# Allegro board com_v1_p3.brd (continued)
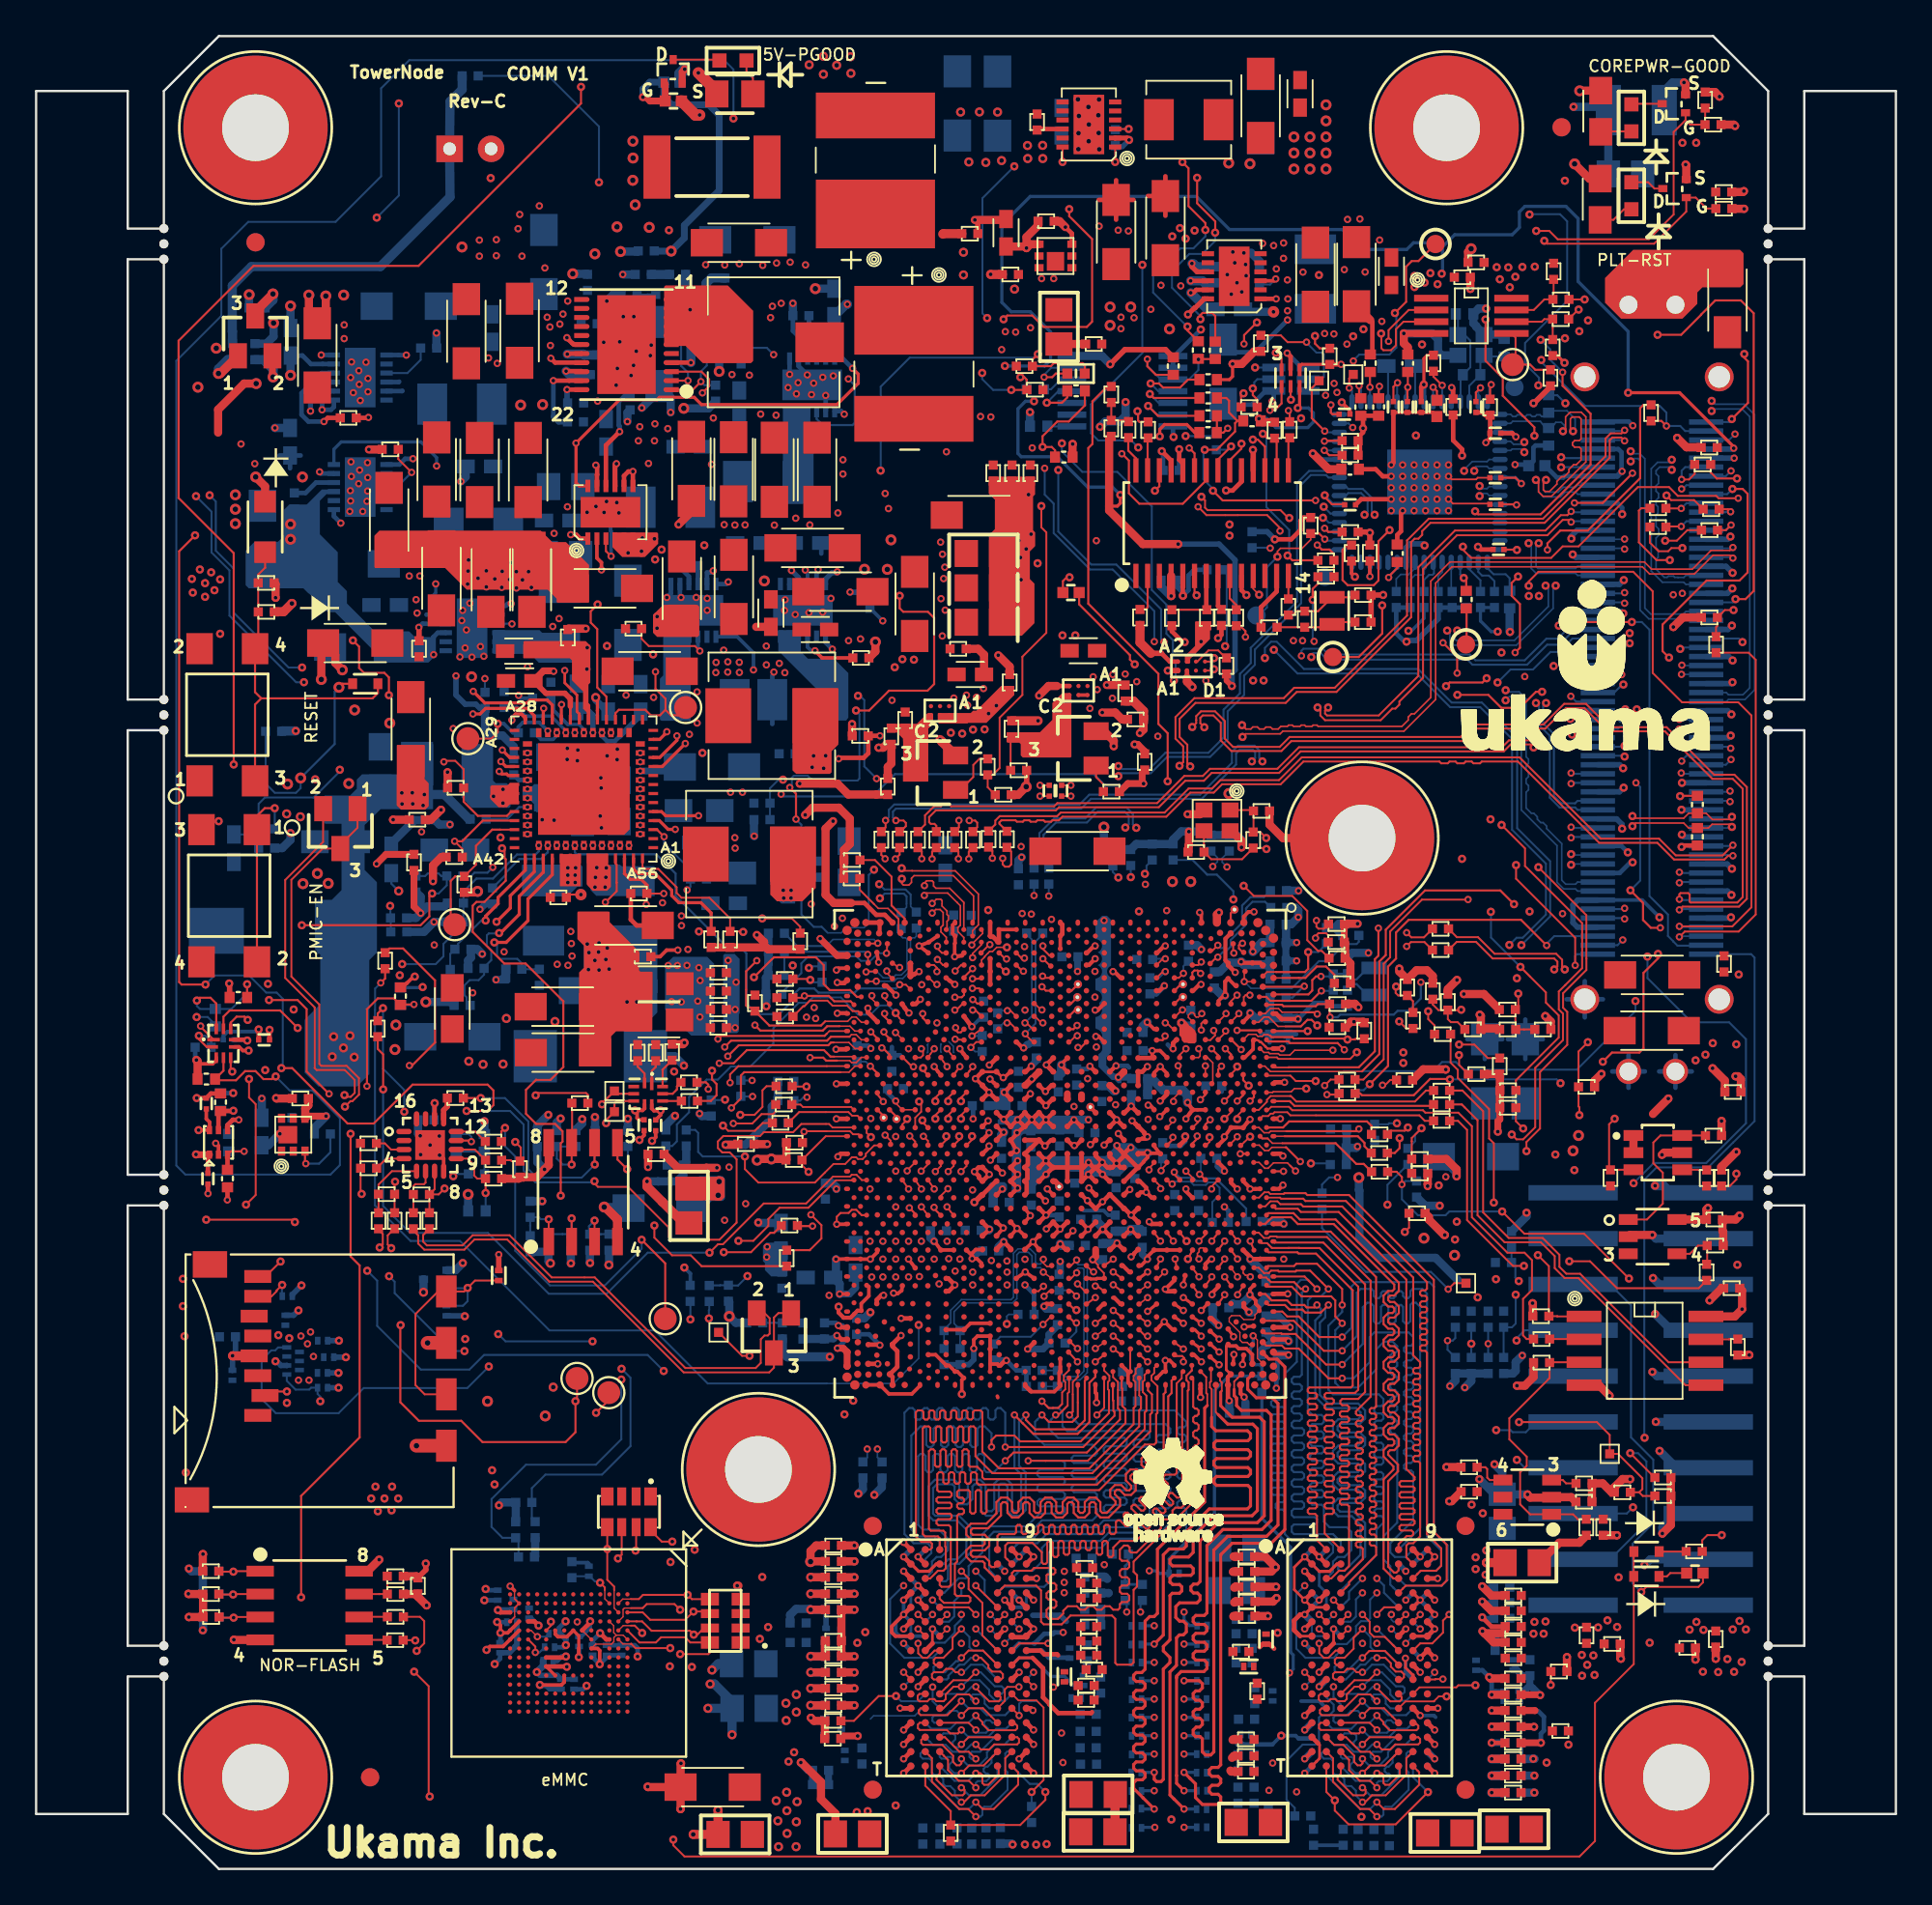
[diagram p0: board, top side]
## Routing (per net, layer and track width the routed paths; a pad name or vN(x,y) marks a point on that pad's centre or on a via; arc(x,y) is an arc through that point) (continued)
M_A_DM2: length 32.8
  TOP w0.114: v2(66.57,33.81) U3C1.F38
  L8_SIG4 w0.102: v2(66.57,33.81) 66.97,33.42 68.44,33.42 69.73,32.12 69.73,31.49 71.36,29.86 73.01,29.86 73.9,28.97 73.9,28.5 73.78,28.39 73.62,28.39 73.5,28.27 73.5,28.1 73.62,27.98 73.78,27.98 73.9,27.86 73.9,27.69 73.78,27.57 73.62,27.57 73.5,27.45 73.5,27.29 73.62,27.17 73.78,27.17 73.9,27.05 73.9,26.88 73.78,26.76 73.62,26.76 73.5,26.64 73.5,26.47 73.62,26.35 73.78,26.35 73.9,26.23 73.9,26.07 73.78,25.95 73.62,25.95 73.5,25.83 73.5,25.66 73.62,25.54 73.78,25.54 73.9,25.42 73.9,25.25 73.78,25.13 73.62,25.13 73.5,25.02 73.5,24.85 73.62,24.73 73.78,24.73 73.9,24.61 73.9,24.44 73.78,24.32 73.62,24.32 73.5,24.2 73.5,24.03 73.62,23.92 73.78,23.92 73.9,23.8 73.9,23.63 73.78,23.51 73.62,23.51 73.5,23.39 73.5,23.22 73.62,23.1 73.78,23.1 73.9,22.98 73.9,22.82 73.78,22.7 73.62,22.7 73.5,22.58 73.5,22.41 73.62,22.29 73.78,22.29 73.9,22.17 73.9,22 73.78,21.88 73.62,21.88 73.5,21.76 73.5,21.6 73.62,21.48 73.78,21.48 73.9,21.36 73.9,21.19 73.78,21.07 73.62,21.07 73.5,20.95 73.5,20.78 73.62,20.66 73.78,20.66 73.9,20.55 73.9,20.38 73.78,20.26 73.62,20.26 73.5,20.14 73.5,19.97 73.62,19.85 73.78,19.85 73.9,19.73 73.9,19.56 73.78,19.45 73.62,19.45 73.5,19.33 73.5,19.16 73.62,19.04 73.78,19.04 73.9,18.92 73.9,18.75 73.78,18.63 73.62,18.63 73.5,18.51 73.5,18.34 73.62,18.23 73.78,18.23 73.9,18.11 73.9,17.94 73.78,17.82 73.62,17.82 73.5,17.7 73.5,17.53 73.62,17.41 73.78,17.41 73.9,17.29 73.9,17.13 73.78,17.01 73.62,17.01 73.5,16.89 v2(73.5,16.1)
  BOTTOM w0.114: U24.E7 72.6,14.8 72.76,14.96 72.76,15.36 v2(73.5,16.1)
M_A_DM3: length 31.6
  TOP w0.114: v2(72.38,30.24) 71.99,30.63 71.99,31.51 71.77,31.74 70.12,31.74 69.58,32.28 68.26,32.28 U3C1.B42
  BOTTOM w0.114: U24.D3 75.21,15.59 75.04,15.76 75.04,16.78 74.66,17.16 74.66,18.43 75.42,19.2 75.42,24 75.3,24.11 75.16,24.11 75.04,24.23 75.04,24.4 75.16,24.52 75.3,24.52 75.42,24.64 75.42,24.81 75.3,24.93 75.16,24.93 75.04,25.05 75.04,25.21 75.16,25.33 75.3,25.33 75.42,25.45 75.42,25.62 75.3,25.74 75.16,25.74 75.04,25.86 75.04,26.03 75.16,26.15 75.3,26.15 75.42,26.27 75.42,26.43 75.3,26.55 75.16,26.55 75.04,26.67 75.04,26.84 75.16,26.96 75.3,26.96 75.42,27.08 75.42,27.25 75.3,27.37 75.16,27.37 75.04,27.48 75.04,27.65 75.16,27.77 75.3,27.77 75.42,27.89 75.42,28.06 75.3,28.18 75.16,28.18 75.04,28.3 75.04,28.47 75.16,28.59 75.3,28.59 75.42,28.7 75.42,28.97 75.17,29.23 74.69,29.23 74.28,28.82 74.28,27.7 73.26,26.69 72.25,26.69 71.99,26.94 71.99,27.03 71.99,27.04 71.99,29.64 71.99,29.65 71.99,29.86 v2(72.38,30.24)
M_A_DM4: length 31.6
  TOP w0.102: 62.14,26.76 61.81,27.09 61.81,27.33 61.96,27.49 61.96,27.78 U3C1.P51
  TOP w0.114: 62.14,26.76 62.14,25.28 62.07,25.21 62.07,23.63 61.97,23.53 61.44,23.53 58.91,21 52.76,21 52.67,20.91 52.67,19.79 52.58,19.7 52.45,19.7 52.37,19.79 52.37,20.91 52.28,21 52.15,21 52.06,20.91 52.06,19.79 51.97,19.7 51.85,19.7 51.76,19.79 51.76,20.91 51.67,21 51.14,21 51.04,20.9 51.04,20.67 51.13,20.58 51.33,20.58 51.42,20.49 51.42,20.37 51.33,20.28 51.13,20.28 51.04,20.19 51.04,20.06 51.13,19.97 51.33,19.97 51.42,19.88 51.42,19.76 51.33,19.67 51.13,19.67 51.04,19.58 51.04,17.04 50.91,16.91 50.91,15.24 51.02,15.13 51.67,15.13 51.77,15.03 51.77,14.85 51.67,14.75 50.3,14.75 50.07,14.98 U37.D3
M_A_DM5: length 31.8
  TOP w0.109: U37.E7 52.07,15.7 v2(52.07,15.7)
  TOP w0.114: v2(59.69,32.38) U3C1.V42
  L3_SIG1 w0.102: v2(52.07,15.7) 51.67,16.1 51.67,16.66 52.03,17.01 52.19,17.01 52.79,16.41 52.96,16.41 53.08,16.53 53.08,16.7 52.48,17.29 52.48,17.46 52.6,17.58 52.77,17.58 53.36,16.99 53.53,16.99 53.65,17.11 53.65,17.28 53.06,17.87 53.06,18.04 53.18,18.16 53.34,18.16 53.94,17.56 54.11,17.56 54.22,17.68 54.22,17.85 53.63,18.44 53.63,18.61 53.75,18.73 53.92,18.73 54.51,18.14 54.68,18.14 54.8,18.26 54.8,18.43 54.21,19.02 54.21,19.19 54.32,19.31 54.49,19.31 55.09,18.71 55.26,18.71 55.37,18.83 55.37,19 54.78,19.59 54.78,19.76 58.36,23.34 58.36,26.52 59.29,27.45 59.29,31.99 v2(59.69,32.38)
M_A_DM6: length 31.9
  TOP w0.114: U3C1.Y50 v2(58.7,28.11)
  L8_SIG4 w0.102: v2(58.7,28.11) 58.38,28.11 58.02,28.47 55.35,28.47 55.23,28.34 55.23,28.18 55.35,28.06 56.25,28.06 56.37,27.94 56.37,27.77 56.25,27.65 55.35,27.65 55.23,27.53 55.23,27.36 55.35,27.24 56.25,27.24 56.37,27.12 56.37,26.96 56.25,26.84 55.35,26.84 55.23,26.72 55.23,26.55 55.35,26.43 56,26.43 56.12,26.31 56.12,24.66 55.98,24.52 55.82,24.52 55.35,24.99 55.21,24.99 55.06,24.84 55.06,24.7 55.53,24.23 55.53,24.07 55.41,23.95 55.24,23.95 54.77,24.41 54.61,24.41 54.49,24.3 54.49,24.13 54.95,23.66 54.95,23.49 54.84,23.37 54.67,23.37 54.44,23.6 54.3,23.6 54.15,23.45 54.15,23.31 54.34,23.12 54.34,22.98 54.24,22.88 54.09,22.88 53.96,23.01 53.2,23.01 52.69,22.5 52.69,17.54 52.94,17.29 52.94,16.27 52.46,15.79 52.46,15.41 51.93,14.88 49.7,14.88 v2(49.67,14.9)
  BOTTOM w0.109: v2(49.67,14.9) U30.E7
M_A_DM7: length 31.6
  TOP w0.109: v2(58.79,25.16) 59.18,25.56 59.18,26.5 59.18,26.5 59.18,27.21 U3C1.Y52
  BOTTOM w0.114: U30.D3 53.49,15.52 53.5,15.52 53.61,15.64 55.87,15.64 56.12,15.89 56.12,17.54 56.37,17.8 59.03,17.8 59.54,18.31 63.23,18.31 63.74,18.81 63.74,19.08 63.62,19.2 63.35,19.2 63.23,19.32 63.23,19.49 63.35,19.61 63.62,19.61 63.74,19.73 63.74,19.9 63.62,20.02 63.35,20.02 63.23,20.13 63.23,20.3 63.35,20.42 63.62,20.42 63.74,20.54 63.74,20.71 63.62,20.83 63.35,20.83 63.23,20.95 63.23,21.12 63.35,21.23 63.62,21.23 63.74,21.35 63.74,21.52 63.62,21.64 63.35,21.64 63.23,21.76 63.23,21.93 63.35,22.05 63.62,22.05 63.74,22.17 63.74,22.33 63.62,22.45 63.35,22.45 63.23,22.57 63.23,22.74 63.35,22.86 63.62,22.86 63.74,22.98 63.74,23.15 63.62,23.27 63.35,23.27 63.23,23.39 63.23,23.55 63.35,23.67 63.62,23.67 63.74,23.79 63.74,23.96 63.62,24.08 63.35,24.08 63.23,24.2 63.23,24.37 63.35,24.49 63.62,24.49 63.74,24.6 63.74,24.78 63.1,25.42 59.04,25.42 v2(58.79,25.16)
M_A_DQ0: length 37.3
  TOP w0.109: U27.E3 v2(71.9,14.9)
  TOP w0.114: U3C1.M36 v1(63.75,34.8)
  L3_SIG1 w0.102: v2(71.9,14.9) 71.9,16.07 73.9,18.07 73.9,18.26 73.77,18.39 73.12,18.39 73.01,18.51 73.01,18.74 73.12,18.85 73.77,18.85 73.9,18.99 73.9,19.18 73.77,19.31 73.14,19.31 73.01,19.44 73.01,19.63 73.14,19.77 73.77,19.77 73.9,19.9 73.9,20.09 73.77,20.22 73.14,20.22 73.01,20.36 73.01,20.55 73.14,20.68 73.77,20.68 73.9,20.81 73.9,21 73.77,21.14 73.14,21.14 73.01,21.27 73.01,21.46 73.14,21.6 73.77,21.6 73.9,21.73 73.9,21.92 73.77,22.05 73.14,22.05 73.01,22.19 73.01,22.38 73.14,22.51 73.77,22.51 73.9,22.64 73.9,22.83 73.01,23.72 73.01,30.26 72.52,30.75 70.85,30.75 70.22,31.39 69.33,31.39 67.28,33.43 63.67,33.43 63.47,33.63 63.47,34.09 63.75,34.37 v1(63.75,34.8)
M_A_DQ1: length 37.2
  TOP w0.109: v2(75.9,14.1) U27.F7 ; U3C1.J36 64.79,35.28 64.79,35.16 v2(64.44,34.8)
  L3_SIG1 w0.102: v2(75.9,14.1) 76.31,14.52 76.31,15.26 76.69,15.64 76.69,16.66 76.31,17.04 76.31,20.78 76.4,20.87 76.68,20.87 76.77,20.96 76.77,21.09 76.68,21.18 76.4,21.18 76.31,21.27 76.31,21.39 76.4,21.48 76.68,21.48 76.77,21.57 76.77,21.7 76.68,21.79 76.4,21.79 76.31,21.88 76.31,22 76.4,22.09 76.68,22.09 76.77,22.18 76.77,22.31 76.68,22.4 76.4,22.4 76.31,22.49 76.31,22.61 76.4,22.7 76.68,22.7 76.77,22.79 76.77,22.92 76.68,23.01 76.4,23.01 76.31,23.1 76.31,23.22 76.4,23.31 76.68,23.31 76.77,23.4 76.77,23.53 76.68,23.62 76.4,23.62 76.31,23.7 76.31,23.83 76.4,23.92 76.68,23.92 76.77,24.01 76.77,24.14 76.68,24.23 76.4,24.23 76.31,24.31 76.31,24.44 76.4,24.53 76.68,24.53 76.77,24.62 76.77,24.75 76.68,24.83 76.4,24.83 76.31,24.92 76.31,25.05 76.4,25.14 76.68,25.14 76.77,25.23 76.77,29.15 71.36,34.56 68.95,34.56 68.06,35.45 65.09,35.45 64.82,35.18 64.82,35.18 v2(64.44,34.8)
M_A_DQ2: length 37.3
  TOP w0.109: U27.F2 v2(71.1,14.1)
  TOP w0.114: v2(62.31,33.81) U3C1.P40
  L3_SIG1 w0.102: v2(62.31,33.81) 62.6,33.81 62.76,33.65 62.77,33.65 63.24,33.18 64.59,33.18 64.8,32.97 64.8,32.67 65,32.47 67.23,32.47 68.82,30.88 69.96,30.88 71.74,29.1 71.74,26.94 72.5,26.18 72.5,23.48 72.38,23.36 71.86,23.36 71.74,23.24 71.74,23.07 71.86,22.96 72.38,22.96 72.5,22.84 72.5,22.67 72.38,22.55 71.86,22.55 71.74,22.43 71.74,22.26 71.86,22.14 72.38,22.14 72.5,22.02 72.5,21.85 72.38,21.74 71.86,21.74 71.74,21.62 71.74,21.45 71.86,21.33 72.38,21.33 72.5,21.21 72.5,21.04 72.38,20.92 71.86,20.92 71.74,20.8 71.74,20.64 71.86,20.52 72.38,20.52 72.5,20.4 72.5,20.23 72.38,20.11 71.86,20.11 71.74,19.99 71.74,19.82 71.86,19.7 72.38,19.7 72.5,19.58 72.5,19.42 72.38,19.3 71.86,19.3 71.74,19.18 71.74,19.01 71.86,18.89 72.38,18.89 72.5,18.77 72.5,18.6 72.38,18.48 71.86,18.48 71.74,18.37 71.74,18.2 71.86,18.08 72.38,18.08 72.5,17.96 72.5,17.67 71.49,16.66 71.49,14.49 71.38,14.39 v2(71.1,14.1)
M_A_DQ3: length 37.2
  TOP w0.109: v2(76.7,14.1) U27.F8
  TOP w0.114: v2(63.12,33.81) U3C1.M40
  L3_SIG1 w0.102: v2(63.12,33.81) 63.12,34.32 63.37,34.58 63.37,34.96 63.6,35.19 63.6,35.19 64.12,35.71 68.31,35.71 69.07,34.94 71.49,34.94 77.07,29.36 77.07,20.57 76.98,20.48 76.78,20.48 76.69,20.39 76.69,20.26 76.78,20.17 76.98,20.17 77.07,20.08 77.07,19.96 76.98,19.87 76.78,19.87 76.69,19.78 76.69,19.65 76.78,19.56 76.98,19.56 77.07,19.47 77.07,19.35 76.98,19.26 76.78,19.26 76.69,19.17 76.69,19.04 76.78,18.95 76.98,18.95 77.07,18.86 77.07,18.74 76.98,18.65 76.78,18.65 76.69,18.56 76.69,18.43 76.78,18.34 76.98,18.34 77.07,18.26 77.07,18.13 76.98,18.04 76.78,18.04 76.69,17.95 76.69,17.82 76.78,17.73 76.98,17.73 77.09,17.63 77.09,14.5 76.99,14.39 v2(76.7,14.1)
M_A_DQ4: length 37.2
  TOP w0.109: U27.H3 72.3,12.1 72.01,12.1 71.61,11.7 71.36,11.7 71.11,11.96 71.11,12.5 v2(71.1,12.5)
  TOP w0.114: U3C1.P36 v2(62.31,34.8)
  L3_SIG1 w0.102: v2(71.1,12.5) 70.72,12.12 70.14,12.12 70.1,12.16 70.08,12.16 69.21,13.04 69.21,13.26 69.2,13.26 69.2,17.4 68.82,17.78 68.82,18.09 68.92,18.19 69.08,18.19 69.2,18.31 69.2,18.48 69.08,18.6 68.81,18.6 68.69,18.72 68.69,18.89 68.81,19.01 69.08,19.01 69.2,19.12 69.2,19.29 69.08,19.41 68.81,19.41 68.69,19.53 68.69,19.7 68.81,19.82 69.08,19.82 69.2,19.94 69.2,20.11 69.08,20.23 68.81,20.23 68.69,20.34 68.69,20.51 68.81,20.63 69.08,20.63 69.2,20.75 69.2,20.92 69.08,21.04 68.81,21.04 68.69,21.16 68.69,21.33 68.81,21.44 69.08,21.44 69.2,21.56 69.2,21.73 69.08,21.85 68.81,21.85 68.69,21.97 68.69,22.14 68.81,22.26 69.08,22.26 69.2,22.38 69.2,22.54 69.08,22.66 68.81,22.66 68.69,22.78 68.69,22.95 68.81,23.07 69.08,23.07 69.2,23.19 69.2,23.36 69.08,23.48 68.81,23.48 68.69,23.6 68.69,23.76 68.81,23.88 69.08,23.88 69.2,24 69.2,24.17 69.08,24.29 68.81,24.29 68.69,24.41 68.69,24.58 69.2,25.08 69.2,27.28 65.72,30.75 65.39,30.75 64.76,31.39 64.25,31.39 63.99,31.64 63.99,32.53 63.74,32.78 63.34,32.78 62.68,33.45 62.06,33.45 61.95,33.56 61.95,34.45 v2(62.31,34.8)
M_A_DQ5: length 37.4
  TOP w0.109: v2(78.3,14.1) 77.96,13.77 77.96,13.1 77.37,12.5 76.7,12.5 U27.H8
  TOP w0.114: U3C1.N36 v2(63.02,34.8)
  L3_SIG1 w0.102: v2(78.3,14.1) 78.3,17.34 77.46,18.18 77.46,29.48 71.61,35.32 69.07,35.32 68.44,35.96 63.77,35.96 63.02,35.21 v2(63.02,34.8)
M_A_DQ6: length 37.4
  TOP w0.102: U27.G2 v2(71.1,13.3)
  TOP w0.114: v2(64.44,32.82) U3C1.K40
  L3_SIG1 w0.102: v2(64.44,32.82) 64.44,32.42 64.64,32.22 66.03,32.22 66.22,32.03 66.22,31.56 66.39,31.39 67.42,31.39 68.31,30.5 69.71,30.5 70.72,29.48 70.72,27.43 70.84,27.31 71.24,27.31 71.36,27.19 71.36,27.02 71.24,26.9 70.84,26.9 70.72,26.79 70.72,26.62 70.84,26.5 71.24,26.5 71.36,26.38 71.36,26.21 71.24,26.09 70.84,26.09 70.72,25.97 70.72,25.8 70.84,25.69 71.24,25.69 71.36,25.57 71.36,25.4 71.24,25.28 70.84,25.28 70.72,25.16 70.72,24.99 70.84,24.87 71.24,24.87 71.36,24.75 71.36,24.59 71.24,24.47 70.84,24.47 70.72,24.35 70.72,24.18 70.84,24.06 71.24,24.06 71.36,23.94 71.36,23.77 71.24,23.65 70.84,23.65 70.72,23.53 70.72,23.37 70.84,23.25 71.24,23.25 71.36,23.13 71.36,22.96 71.24,22.84 70.84,22.84 70.72,22.72 70.72,22.55 70.84,22.43 71.24,22.43 71.36,22.32 71.36,22.15 71.24,22.03 70.84,22.03 70.72,21.91 70.72,21.74 70.84,21.62 71.24,21.62 71.36,21.5 71.36,21.33 71.24,21.22 70.84,21.22 70.72,21.1 70.72,20.93 70.84,20.81 71.24,20.81 71.36,20.69 71.36,20.52 71.24,20.4 70.84,20.4 70.72,20.28 70.72,20.12 70.84,20 71.24,20 71.36,19.88 71.36,19.71 71.24,19.59 70.84,19.59 70.72,19.47 70.72,19.3 70.84,19.18 71.24,19.18 71.36,19.06 71.36,18.9 71.24,18.78 70.84,18.78 70.72,18.66 70.72,18.49 70.84,18.37 71.24,18.37 71.36,18.25 71.36,18.08 70.96,17.68 70.94,17.68 70.72,17.46 70.72,17.14 70.72,17.14 70.72,13.68 70.83,13.58 v2(71.1,13.3)
M_A_DQ7: length 37.3
  TOP w0.109: U27.H7 75.21,12.39 74.74,12.87 74.13,12.87 73.9,13.1 73.9,13.7 v2(73.5,14.1)
  TOP w0.114: v2(64.44,31.83) U3C1.K42
  L3_SIG1 w0.102: v2(64.44,31.83) 64.67,31.83 65.36,31.13 65.9,31.13 66.53,30.5 67.42,30.5 68.31,29.61 68.31,28.97 70.22,27.07 70.22,24.53 70.1,24.42 69.83,24.42 69.71,24.3 69.71,24.13 69.83,24.01 70.1,24.01 70.22,23.89 70.22,23.72 70.1,23.6 69.83,23.6 69.71,23.48 69.71,23.32 69.83,23.2 70.1,23.2 70.22,23.08 70.22,22.91 70.1,22.79 69.83,22.79 69.71,22.67 69.71,22.5 69.83,22.38 70.1,22.38 70.22,22.26 70.22,22.1 70.1,21.98 69.83,21.98 69.71,21.86 69.71,21.69 69.83,21.57 70.1,21.57 70.22,21.45 70.22,21.28 70.1,21.16 69.83,21.16 69.71,21.05 69.71,20.88 69.83,20.76 70.1,20.76 70.22,20.64 70.22,20.47 70.1,20.35 69.83,20.35 69.71,20.23 69.71,20.06 69.83,19.95 70.1,19.95 70.22,19.83 70.22,19.66 70.1,19.54 69.83,19.54 69.71,19.42 69.71,19.25 69.83,19.13 70.1,19.13 70.22,19.01 70.22,18.84 70.1,18.73 69.83,18.73 69.71,18.61 69.71,18.44 69.83,18.32 70.1,18.32 70.22,18.2 70.22,18.03 69.71,17.52 69.71,13.35 70.14,12.92 70.46,12.92 73.66,12.92 73.88,13.15 73.88,13.72 73.79,13.82 v2(73.5,14.1)
M_A_DQ8: length 32.1
  TOP w0.102: 68.99,37.15 68.93,37.21 68.18,37.21 U3C1.B32
  TOP w0.114: 68.99,37.15 70.22,37.15 70.34,37.03 72.58,37.03 77.07,32.53 77.07,32.16 76.98,32.07 76.78,32.07 76.69,31.98 76.69,31.86 76.78,31.77 76.98,31.77 77.07,31.68 77.07,31.55 76.98,31.46 76.78,31.46 76.69,31.37 76.69,31.25 76.78,31.16 76.98,31.16 77.07,31.07 77.07,30.94 76.98,30.85 76.78,30.85 76.69,30.77 76.69,30.64 76.78,30.55 76.98,30.55 77.07,30.46 77.07,30.33 76.98,30.24 76.78,30.24 76.69,30.16 76.69,30.03 76.78,29.94 76.98,29.94 77.07,29.85 77.07,29.72 76.98,29.64 76.78,29.64 76.69,29.55 76.69,29.42 76.78,29.33 76.98,29.33 77.07,29.24 77.07,29.11 76.98,29.03 76.78,29.03 76.69,28.94 76.69,28.81 76.78,28.72 76.98,28.72 77.07,28.63 77.07,18.56 77.86,17.77 77.86,16.81 77.58,16.53 76.73,16.53 76.54,16.34 U27.C8
M_A_DQ9: length 32.1
  TOP w0.102: 69.13,37.42 68.39,37.42 68.3,37.51 68.07,37.51 67.77,37.21 67.48,37.21 U3C1.C32
  TOP w0.114: 69.13,37.42 69.17,37.46 70.34,37.46 70.44,37.36 72.76,37.36 77.46,32.66 77.46,18.69 78.17,17.98 78.17,15.99 77.88,15.7 75.9,15.7 75.73,15.53 U27.D7
M_A_DQ10: length 32
  TOP w0.102: U3C1.C36 67.75,35.27 68.04,34.98 68.3,34.98 68.39,35.06 68.73,35.06 68.76,35.03
  TOP w0.114: 68.76,35.03 71.53,35.03 73.95,32.61 73.95,26.18 73.14,25.36 73.14,25.24 73.23,25.15 73.43,25.15 73.52,25.06 73.52,24.93 73.43,24.84 73.23,24.84 73.14,24.75 73.14,24.63 73.23,24.54 73.43,24.54 73.52,24.45 73.52,24.32 73.43,24.23 73.23,24.23 73.14,24.14 73.14,24.02 73.23,23.93 73.43,23.93 73.52,23.84 73.52,23.71 73.43,23.62 73.23,23.62 73.14,23.53 73.14,23.41 73.23,23.32 73.43,23.32 73.52,23.23 73.52,23.1 73.43,23.01 73.23,23.01 73.14,22.92 73.14,22.8 73.23,22.71 73.43,22.71 73.52,22.62 73.52,22.49 73.43,22.4 73.23,22.4 73.14,22.32 73.14,22.19 73.23,22.1 73.43,22.1 73.52,22.01 73.52,21.88 73.43,21.79 73.23,21.79 73.14,21.71 73.14,21.58 73.23,21.49 73.43,21.49 73.52,21.4 73.52,21.27 73.43,21.19 73.23,21.19 73.14,21.1 73.14,20.97 73.23,20.88 73.43,20.88 73.52,20.79 73.52,20.66 73.43,20.58 73.23,20.58 73.14,20.49 73.14,20.36 73.23,20.27 73.43,20.27 73.52,20.18 73.52,20.06 73.43,19.97 73.23,19.97 73.14,19.88 73.14,19.75 73.23,19.66 73.43,19.66 73.52,19.57 73.52,19.45 73.43,19.36 73.23,19.36 73.14,19.27 73.14,19.14 73.23,19.05 73.43,19.05 73.52,18.96 73.52,18.84 73.43,18.75 73.23,18.75 73.14,18.66 73.14,18.53 73.23,18.44 73.43,18.44 73.52,18.35 73.52,18.23 73.43,18.14 73.23,18.14 73.14,18.05 73.14,17.92 73.23,17.83 73.43,17.83 73.52,17.74 73.52,17.16 72.46,16.1 U27.C3
M_A_DQ11: length 31.9
  TOP w0.114: U3C1.A37 68.63,34.72 71.33,34.72 73.65,32.4 73.65,26.43 73.26,26.05 72.38,26.05 72.27,25.95 72.27,25.81 72.38,25.71 72.65,25.71 72.76,25.61 72.76,25.46 72.67,25.37 72.34,25.37 72.25,25.28 72.25,25.16 72.34,25.07 72.67,25.07 72.76,24.98 72.76,24.85 72.67,24.76 72.34,24.76 72.25,24.67 72.25,24.55 72.34,24.46 72.67,24.46 72.76,24.37 72.76,24.24 72.67,24.15 72.34,24.15 72.25,24.06 72.25,23.94 72.34,23.85 72.67,23.85 72.76,23.76 72.76,23.63 72.67,23.54 72.34,23.54 72.25,23.45 72.25,23.33 72.34,23.24 72.67,23.24 72.76,23.15 72.76,23.02 72.67,22.93 72.34,22.93 72.25,22.84 72.25,22.72 72.34,22.63 72.67,22.63 72.76,22.54 72.76,22.41 72.67,22.32 72.34,22.32 72.25,22.24 72.25,22.11 72.34,22.02 72.67,22.02 72.76,21.93 72.76,21.8 72.67,21.71 72.34,21.71 72.25,21.63 72.25,21.5 72.34,21.41 72.67,21.41 72.76,21.32 72.76,21.19 72.67,21.11 72.34,21.11 72.25,21.02 72.25,20.89 72.34,20.8 72.67,20.8 72.76,20.71 72.76,20.58 72.67,20.5 72.34,20.5 72.25,20.41 72.25,20.28 72.34,20.19 72.67,20.19 72.76,20.1 72.76,16.78 72.5,16.53 72.2,16.53 71.77,16.1 U27.C2
M_A_DQ12: length 32
  TOP w0.102: U3C1.C33 68.12,36.73 68.4,37.01 68.79,37.01 68.95,36.85
  TOP w0.114: 68.95,36.85 70.09,36.85 70.22,36.72 72.38,36.72 76.31,32.78 76.31,28.47 76.69,28.09 76.69,27.86 76.6,27.77 76.4,27.77 76.31,27.68 76.31,27.55 76.4,27.46 76.6,27.46 76.69,27.37 76.69,27.25 76.6,27.16 76.4,27.16 76.31,27.07 76.31,26.94 76.4,26.85 76.6,26.85 76.69,26.76 76.69,26.64 76.6,26.55 76.4,26.55 76.31,26.46 76.31,26.33 76.4,26.24 76.6,26.24 76.69,26.15 76.69,26.03 76.6,25.94 76.4,25.94 76.31,25.85 76.31,25.72 76.4,25.63 76.6,25.63 76.69,25.55 76.69,25.42 76.6,25.33 76.4,25.33 76.31,25.24 76.31,25.11 76.4,25.02 76.6,25.02 76.69,24.94 76.69,24.81 76.6,24.72 76.4,24.72 76.31,24.63 76.31,24.5 76.4,24.42 76.6,24.42 76.69,24.33 76.69,24.2 76.6,24.11 76.4,24.11 76.31,24.02 76.31,23.89 76.4,23.81 76.6,23.81 76.69,23.72 76.69,23.59 76.6,23.5 76.4,23.5 76.31,23.41 76.31,23.29 76.4,23.2 76.6,23.2 76.69,23.11 76.69,22.98 76.6,22.89 76.4,22.89 76.31,22.8 76.31,22.68 76.4,22.59 76.6,22.59 76.69,22.5 76.69,18.43 76.31,18.05 76.06,18.05 75.93,17.93 75.93,17.27 76.02,17.18 U27.B8
M_A_DQ13: length 32
  TOP w0.114: U27.A7 75.5,18 75.95,18.45 76.22,18.45 76.31,18.54 76.31,18.67 76.22,18.76 75.64,18.76 75.55,18.85 75.55,18.97 75.64,19.06 76.3,19.06 76.39,19.15 76.39,19.28 76.3,19.37 75.64,19.37 75.55,19.46 75.55,19.58 75.64,19.67 76.3,19.67 76.39,19.76 76.39,19.89 76.3,19.98 75.64,19.98 75.55,20.07 75.55,20.19 75.64,20.28 76.3,20.28 76.39,20.37 76.39,20.5 76.3,20.59 75.64,20.59 75.55,20.68 75.55,20.8 75.64,20.89 76.3,20.89 76.39,20.98 76.39,21.11 76.3,21.2 75.64,21.2 75.55,21.29 75.55,21.41 75.64,21.5 76.3,21.5 76.39,21.59 76.39,21.72 75.93,22.17 75.93,32.67 72.18,36.42 70.09,36.42 69.91,36.59 68.7,36.59 U3C1.A33
M_A_DQ14: length 32
  TOP w0.102: 68.31,34.6 68.21,34.69 67.92,34.69 U3C1.C37
  TOP w0.114: U27.A3 71.86,18.14 71.4,18.6 71.4,19.59 71.49,19.68 71.82,19.68 71.91,19.77 71.91,19.89 71.82,19.98 71.49,19.98 71.4,20.07 71.4,20.2 71.49,20.29 71.82,20.29 71.91,20.38 71.91,20.5 71.82,20.59 71.49,20.59 71.4,20.68 71.4,20.81 71.49,20.9 71.82,20.9 71.91,20.99 71.91,21.11 71.82,21.2 71.49,21.2 71.4,21.29 71.4,21.42 71.49,21.51 71.82,21.51 71.91,21.6 71.91,21.72 71.82,21.81 71.49,21.81 71.4,21.9 71.4,22.03 71.49,22.12 71.82,22.12 71.91,22.21 71.91,22.33 71.82,22.42 71.49,22.42 71.4,22.51 71.4,22.64 71.49,22.73 71.82,22.73 71.91,22.82 71.91,22.94 71.82,23.03 71.49,23.03 71.4,23.12 71.4,23.25 71.49,23.34 71.82,23.34 71.91,23.43 71.91,23.55 71.82,23.64 71.49,23.64 71.4,23.73 71.4,23.86 71.49,23.95 71.82,23.95 71.91,24.04 71.91,24.16 71.82,24.25 71.49,24.25 71.4,24.34 71.4,24.47 71.49,24.56 71.82,24.56 71.91,24.64 71.91,24.77 71.82,24.86 71.49,24.86 71.4,24.95 71.4,25.08 71.49,25.16 71.82,25.16 71.91,25.25 71.91,25.38 71.82,25.47 71.49,25.47 71.4,25.56 71.4,25.69 71.49,25.77 71.82,25.77 71.91,25.86 71.91,25.99 71.82,26.08 71.49,26.08 71.4,26.17 71.4,26.29 71.49,26.38 73.09,26.38 73.26,26.56 73.26,32.28 71.12,34.42 70,34.42 69.99,34.42 69.41,34.42 69.41,34.42 68.48,34.42 68.31,34.6
M_A_DQ15: length 31.9
  TOP w0.114: U27.A2 71.13,18.07 70.98,18.22 70.98,19.58 70.88,19.68 70.56,19.68 70.47,19.77 70.47,19.89 70.56,19.98 70.89,19.98 70.98,20.07 70.98,20.2 70.89,20.29 70.56,20.29 70.47,20.38 70.47,20.5 70.56,20.59 70.89,20.59 70.98,20.68 70.98,20.81 70.89,20.9 70.56,20.9 70.47,20.99 70.47,21.11 70.56,21.2 70.89,21.2 70.98,21.29 70.98,21.42 70.89,21.51 70.56,21.51 70.47,21.6 70.47,21.72 70.56,21.81 70.89,21.81 70.98,21.9 70.98,22.03 70.89,22.12 70.56,22.12 70.47,22.21 70.47,22.33 70.56,22.42 70.89,22.42 70.98,22.51 70.98,22.64 70.89,22.73 70.56,22.73 70.47,22.82 70.47,22.94 70.56,23.03 70.89,23.03 70.98,23.12 70.98,23.25 70.89,23.34 70.56,23.34 70.47,23.43 70.47,23.55 70.56,23.64 70.89,23.64 70.98,23.73 70.98,23.86 70.89,23.95 70.56,23.95 70.47,24.04 70.47,24.16 70.56,24.25 70.89,24.25 70.98,24.34 70.98,24.47 70.89,24.56 70.56,24.56 70.47,24.64 70.47,24.77 70.56,24.86 70.89,24.86 70.98,24.95 70.98,25.08 70.89,25.16 70.56,25.16 70.47,25.25 70.47,25.38 70.56,25.47 70.89,25.47 70.98,25.56 70.98,25.69 70.89,25.77 70.56,25.77 70.47,25.86 70.47,25.99 70.56,26.08 70.89,26.08 70.98,26.17 70.98,26.29 70.89,26.38 70.56,26.38 70.47,26.47 70.47,26.6 70.56,26.69 72.86,26.69 72.96,26.79 72.96,32.07 70.92,34.11 69.96,34.11 69.89,34.18 68.3,34.18 U3C1.B38
M_A_DQ16: length 33
  TOP w0.114: v2(66.57,34.8) U3C1.F36
  L8_SIG4 w0.102: v2(74.3,16.1) 74.52,16.32 75.17,16.97 75.17,22.33 75.07,22.44 74.78,22.44 74.66,22.55 74.66,22.72 74.78,22.84 75.05,22.84 75.17,22.96 75.17,23.13 75.05,23.25 74.78,23.25 74.66,23.37 74.66,23.54 74.78,23.65 75.05,23.65 75.17,23.77 75.17,23.94 75.05,24.06 74.78,24.06 74.66,24.18 74.66,24.35 74.78,24.47 75.05,24.47 75.17,24.59 75.17,24.75 75.05,24.87 74.78,24.87 74.66,24.99 74.66,25.16 74.78,25.28 75.05,25.28 75.17,25.4 75.17,25.57 75.05,25.69 74.78,25.69 74.66,25.81 74.66,25.97 74.78,26.09 75.05,26.09 75.17,26.21 75.17,26.38 75.05,26.5 74.78,26.5 74.66,26.62 74.66,26.79 74.78,26.91 75.05,26.91 75.17,27.02 75.17,27.19 75.05,27.31 74.78,27.31 74.66,27.43 74.66,27.6 74.78,27.72 75.05,27.72 75.17,27.84 75.17,28.01 75.05,28.12 74.78,28.12 74.66,28.24 74.66,28.41 74.78,28.53 75.05,28.53 75.17,28.65 75.17,29.18 69.91,34.44 66.94,34.44 v2(66.57,34.8)
  BOTTOM w0.114: U24.E3 75.19,14.81 74.69,15.31 74.69,15.71 v2(74.3,16.1)
M_A_DQ17: length 33.1
  TOP w0.114: v2(65.86,34.8) U3C1.G38
  L8_SIG4 w0.102: v2(73.5,15.3) 73.9,15.7 73.9,16.4 74.79,17.29 74.79,17.74 74.67,17.86 74.4,17.86 74.28,17.98 74.28,18.14 74.4,18.26 74.67,18.26 74.79,18.38 74.79,18.55 74.67,18.67 74.4,18.67 74.28,18.79 74.28,18.96 74.4,19.08 74.67,19.08 74.79,19.2 74.79,19.36 74.67,19.48 74.4,19.48 74.28,19.6 74.28,19.77 74.4,19.89 74.67,19.89 74.79,20.01 74.79,20.18 74.67,20.3 74.4,20.3 74.28,20.41 74.28,20.58 74.4,20.7 74.67,20.7 74.79,20.82 74.79,20.99 74.67,21.11 74.4,21.11 74.28,21.23 74.28,21.4 74.4,21.51 74.67,21.51 74.79,21.63 74.79,21.8 74.69,21.9 74.38,21.9 74.28,22 74.28,29.36 72.88,30.75 72.25,30.75 71.99,31.01 71.99,31.51 71.74,31.77 70.19,31.77 69.96,31.99 69.96,32.48 68.25,34.18 66.27,34.18 66.17,34.29 66.17,34.5 v2(65.86,34.8)
  BOTTOM w0.109: U24.F7 72.85,13.7 73.14,13.99 73.14,14.94 v2(73.5,15.3)
M_A_DQ18: length 32.9
  TOP w0.114: v2(65.86,32.82) U3C1.F42
  L8_SIG4 w0.102: v2(65.86,32.82) 65.49,33.19 65.49,35.05 65.64,35.2 70.14,35.2 76.31,29.03 76.31,13.69 v2(76.7,13.3)
  BOTTOM w0.109: U24.F2 76.7,13.3 v2(76.7,13.3)
M_A_DQ19: length 33
  TOP w0.114: v2(65.15,32.82) U3C1.J42
  L8_SIG4 w0.102: v2(71.9,14.1) 71.51,14.5 70.09,14.5 69.45,15.13 69.45,16.92 69.34,17.04 69.07,17.04 68.95,17.16 68.95,17.32 69.07,17.44 69.34,17.44 69.45,17.56 69.45,17.73 69.34,17.85 69.07,17.85 68.95,17.97 68.95,18.14 69.07,18.26 69.34,18.26 69.45,18.37 69.45,18.54 69.34,18.66 69.07,18.66 68.95,18.78 68.95,18.95 69.07,19.07 69.34,19.07 69.45,19.19 69.45,19.36 69.34,19.47 69.07,19.47 68.95,19.59 68.95,19.76 69.07,19.88 69.34,19.88 69.45,20 69.45,20.17 69.34,20.29 69.07,20.29 68.95,20.41 68.95,20.57 69.07,20.69 69.34,20.69 69.45,20.81 69.45,20.98 69.34,21.1 69.07,21.1 68.95,21.22 68.95,21.39 69.07,21.51 69.34,21.51 69.45,21.63 69.45,21.79 69.34,21.91 69.07,21.91 68.95,22.03 68.95,22.2 69.07,22.32 69.34,22.32 69.45,22.44 69.45,22.61 69.34,22.73 69.07,22.73 68.95,22.84 68.95,23.01 69.07,23.13 69.34,23.13 69.45,23.25 69.45,23.42 69.34,23.54 69.07,23.54 68.95,23.66 68.95,23.83 69.07,23.95 69.34,23.95 69.45,24.06 69.45,24.23 69.34,24.35 69.07,24.35 68.95,24.47 68.95,24.64 69.07,24.76 69.34,24.76 69.45,24.88 69.45,25.05 69.34,25.16 69.07,25.16 68.95,25.28 68.95,25.45 69.07,25.57 69.34,25.57 69.45,25.69 69.45,25.86 69.34,25.98 69.07,25.98 68.95,26.1 68.95,26.26 69.07,26.38 69.34,26.38 69.45,26.5 69.45,27.83 68.57,28.72 68.57,30.12 67.46,31.22 67.36,31.22 67.36,31.22 67.07,31.22 67.07,31.22 66.57,31.22 66.22,31.58 66.22,31.68 66.22,31.68 66.22,31.98 66.22,31.98 66.01,32.19 65.79,32.19 65.45,32.52 v2(65.15,32.82)
  BOTTOM w0.109: U24.F8 71.9,14.1 v2(71.9,14.1)
M_A_DQ20: length 33
  TOP w0.114: v2(65.86,33.81) U3C1.G40
  L8_SIG4 w0.102: v2(74.3,13.3) 73.92,13.68 72.56,13.68 72.36,13.89 72.36,13.91 72.32,13.95 72.32,17.87 70.85,19.33 70.85,19.5 70.97,19.62 71.11,19.62 71.23,19.74 71.23,19.91 71.11,20.03 70.97,20.03 70.85,20.15 70.85,20.31 70.97,20.43 71.11,20.43 71.23,20.55 71.23,20.72 71.11,20.84 70.97,20.84 70.85,20.96 70.85,21.13 70.97,21.25 71.11,21.25 71.23,21.36 71.23,21.53 71.11,21.65 70.97,21.65 70.85,21.77 70.85,21.94 70.97,22.06 71.11,22.06 71.23,22.18 71.23,22.35 71.11,22.46 70.97,22.46 70.85,22.58 70.85,22.75 70.97,22.87 71.11,22.87 71.23,22.99 71.23,23.16 71.11,23.28 70.97,23.28 70.85,23.4 70.85,23.56 70.97,23.68 71.11,23.68 71.23,23.8 71.23,23.97 71.11,24.09 70.97,24.09 70.85,24.21 70.85,24.38 70.97,24.5 71.11,24.5 71.23,24.62 71.23,24.78 71.11,24.9 70.97,24.9 70.85,25.02 70.85,25.19 70.97,25.31 71.11,25.31 71.23,25.43 71.23,25.6 71.11,25.72 70.97,25.72 70.85,25.83 70.85,26 70.97,26.12 71.11,26.12 71.23,26.24 71.23,26.41 71.11,26.53 70.97,26.53 70.85,26.65 70.85,26.82 70.97,26.93 71.11,26.93 71.23,27.05 71.23,27.22 71.11,27.34 70.97,27.34 70.85,27.46 70.85,27.63 70.97,27.75 71.11,27.75 71.23,27.87 71.23,28.09 69.65,29.67 69.34,29.67 69.07,29.93 69.07,30.63 67.51,32.19 66.62,32.19 66.22,32.59 66.22,33.46 v2(65.86,33.81)